# KiCad board untitled.kicad_pcb (continued)
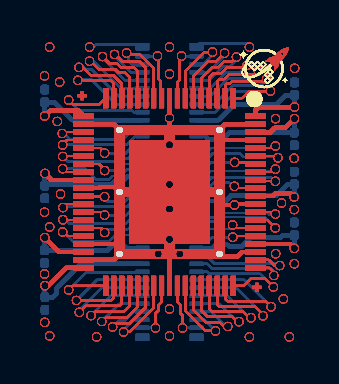
[diagram p0: board, top side]
## Nets (continued)
/PIN 11: J101.60 J102.21 J103.60 J104.21 J105.60 J106.21 J107.60 J108.21 J109.60 J110.21 J111.60 J112.21 J113.60 J114.21 J115.60 J116.21 J117.60 J118.21 J119.60 J120.21 J121.60 J122.21 J123.60 J124.21 J125.60 J126.21 J127.60 J128.21 J129.60 J130.21 J131.60 J132.21 J133.60 J134.21 J135.60 J136.21 J137.60 J138.21 J139.60 J140.21 J141.60 J142.21 J143.60 J144.21 J145.60 J146.21 J147.60 J148.21 J149.60 J150.21 J151.60 J152.21 J153.60 J154.21 J155.60 J156.21 J157.60 J158.21 J159.60 J160.21 J161.60 J162.21 J163.60 J164.21 J165.60 J166.21 J167.60 J168.21 J169.60 J170.21 J171.60 J172.21 J173.60 J174.21 J175.60 J176.21 J177.60 J178.21 J179.60 J180.21 J181.60 J182.21 J183.60 J184.21
/PIN 12: J101.59 J102.22 J103.59 J104.22 J105.59 J106.22 J107.59 J108.22 J109.59 J110.22 J111.59 J112.22 J113.59 J114.22 J115.59 J116.22 J117.59 J118.22 J119.59 J120.22 J121.59 J122.22 J123.59 J124.22 J125.59 J126.22 J127.59 J128.22 J129.59 J130.22 J131.59 J132.22 J133.59 J134.22 J135.59 J136.22 J137.59 J138.22 J139.59 J140.22 J141.59 J142.22 J143.59 J144.22 J145.59 J146.22 J147.59 J148.22 J149.59 J150.22 J151.59 J152.22 J153.59 J154.22 J155.59 J156.22 J157.59 J158.22 J159.59 J160.22 J161.59 J162.22 J163.59 J164.22 J165.59 J166.22 J167.59 J168.22 J169.59 J170.22 J171.59 J172.22 J173.59 J174.22 J175.59 J176.22 J177.59 J178.22 J179.59 J180.22 J181.59 J182.22 J183.59 J184.22
/PIN 13: J101.58 J102.23 J103.58 J104.23 J105.58 J106.23 J107.58 J108.23 J109.58 J110.23 J111.58 J112.23 J113.58 J114.23 J115.58 J116.23 J117.58 J118.23 J119.58 J120.23 J121.58 J122.23 J123.58 J124.23 J125.58 J126.23 J127.58 J128.23 J129.58 J130.23 J131.58 J132.23 J133.58 J134.23 J135.58 J136.23 J137.58 J138.23 J139.58 J140.23 J141.58 J142.23 J143.58 J144.23 J145.58 J146.23 J147.58 J148.23 J149.58 J150.23 J151.58 J152.23 J153.58 J154.23 J155.58 J156.23 J157.58 J158.23 J159.58 J160.23 J161.58 J162.23 J163.58 J164.23 J165.58 J166.23 J167.58 J168.23 J169.58 J170.23 J171.58 J172.23 J173.58 J174.23 J175.58 J176.23 J177.58 J178.23 J179.58 J180.23 J181.58 J182.23 J183.58 J184.23
/PIN 14: J101.57 J102.24 J103.57 J104.24 J105.57 J106.24 J107.57 J108.24 J109.57 J110.24 J111.57 J112.24 J113.57 J114.24 J115.57 J116.24 J117.57 J118.24 J119.57 J120.24 J121.57 J122.24 J123.57 J124.24 J125.57 J126.24 J127.57 J128.24 J129.57 J130.24 J131.57 J132.24 J133.57 J134.24 J135.57 J136.24 J137.57 J138.24 J139.57 J140.24 J141.57 J142.24 J143.57 J144.24 J145.57 J146.24 J147.57 J148.24 J149.57 J150.24 J151.57 J152.24 J153.57 J154.24 J155.57 J156.24 J157.57 J158.24 J159.57 J160.24 J161.57 J162.24 J163.57 J164.24 J165.57 J166.24 J167.57 J168.24 J169.57 J170.24 J171.57 J172.24 J173.57 J174.24 J175.57 J176.24 J177.57 J178.24 J179.57 J180.24 J181.57 J182.24 J183.57 J184.24
/PIN 15: J101.56 J102.25 J103.56 J104.25 J105.56 J106.25 J107.56 J108.25 J109.56 J110.25 J111.56 J112.25 J113.56 J114.25 J115.56 J116.25 J117.56 J118.25 J119.56 J120.25 J121.56 J122.25 J123.56 J124.25 J125.56 J126.25 J127.56 J128.25 J129.56 J130.25 J131.56 J132.25 J133.56 J134.25 J135.56 J136.25 J137.56 J138.25 J139.56 J140.25 J141.56 J142.25 J143.56 J144.25 J145.56 J146.25 J147.56 J148.25 J149.56 J150.25 J151.56 J152.25 J153.56 J154.25 J155.56 J156.25 J157.56 J158.25 J159.56 J160.25 J161.56 J162.25 J163.56 J164.25 J165.56 J166.25 J167.56 J168.25 J169.56 J170.25 J171.56 J172.25 J173.56 J174.25 J175.56 J176.25 J177.56 J178.25 J179.56 J180.25 J181.56 J182.25 J183.56 J184.25
/PIN 16: C105.1 C113.1 C121.1 C129.1 C137.1 C145.1 C153.1 C161.1 C169.1 C177.1 C185.1 C193.1 C201.1 C209.1 C217.1 C225.1 C233.1 C241.1 C249.1 C257.1 C265.1 C273.1 C281.1 C289.1 C297.1 C305.1 C313.1 C321.1 C329.1 C337.1 C345.1 C353.1 C361.1 C369.1 C377.1 C385.1 C393.1 C401.1 C409.1 C417.1 C425.1 C433.1 J101.55 J102.26 J103.55 J104.26 J105.55 J106.26 J107.55 J108.26 J109.55 J110.26 J111.55 J112.26 J113.55 J114.26 J115.55 J116.26 J117.55 J118.26 J119.55 J120.26 J121.55 J122.26 J123.55 J124.26 J125.55 J126.26 J127.55 J128.26 J129.55 J130.26 J131.55 J132.26 J133.55 J134.26 J135.55 J136.26 J137.55 J138.26 J139.55 J140.26 J141.55 J142.26 J143.55 J144.26 J145.55 J146.26 J147.55 J148.26 J149.55 J150.26 J151.55 J152.26 J153.55 J154.26 J155.55 J156.26 J157.55 J158.26 J159.55 J160.26 J161.55 J162.26 J163.55 J164.26 J165.55 J166.26 J167.55 J168.26 J169.55 J170.26 J171.55 J172.26 J173.55 J174.26 J175.55 J176.26 J177.55 J178.26 J179.55 J180.26 J181.55 J182.26 J183.55 J184.26
/PIN 18: J101.53 J102.28 J103.53 J104.28 J105.53 J106.28 J107.53 J108.28 J109.53 J110.28 J111.53 J112.28 J113.53 J114.28 J115.53 J116.28 J117.53 J118.28 J119.53 J120.28 J121.53 J122.28 J123.53 J124.28 J125.53 J126.28 J127.53 J128.28 J129.53 J130.28 J131.53 J132.28 J133.53 J134.28 J135.53 J136.28 J137.53 J138.28 J139.53 J140.28 J141.53 J142.28 J143.53 J144.28 J145.53 J146.28 J147.53 J148.28 J149.53 J150.28 J151.53 J152.28 J153.53 J154.28 J155.53 J156.28 J157.53 J158.28 J159.53 J160.28 J161.53 J162.28 J163.53 J164.28 J165.53 J166.28 J167.53 J168.28 J169.53 J170.28 J171.53 J172.28 J173.53 J174.28 J175.53 J176.28 J177.53 J178.28 J179.53 J180.28 J181.53 J182.28 J183.53 J184.28
/PIN 19: J101.52 J102.29 J103.52 J104.29 J105.52 J106.29 J107.52 J108.29 J109.52 J110.29 J111.52 J112.29 J113.52 J114.29 J115.52 J116.29 J117.52 J118.29 J119.52 J120.29 J121.52 J122.29 J123.52 J124.29 J125.52 J126.29 J127.52 J128.29 J129.52 J130.29 J131.52 J132.29 J133.52 J134.29 J135.52 J136.29 J137.52 J138.29 J139.52 J140.29 J141.52 J142.29 J143.52 J144.29 J145.52 J146.29 J147.52 J148.29 J149.52 J150.29 J151.52 J152.29 J153.52 J154.29 J155.52 J156.29 J157.52 J158.29 J159.52 J160.29 J161.52 J162.29 J163.52 J164.29 J165.52 J166.29 J167.52 J168.29 J169.52 J170.29 J171.52 J172.29 J173.52 J174.29 J175.52 J176.29 J177.52 J178.29 J179.52 J180.29 J181.52 J182.29 J183.52 J184.29
/PIN 20: J101.51 J102.30 J103.51 J104.30 J105.51 J106.30 J107.51 J108.30 J109.51 J110.30 J111.51 J112.30 J113.51 J114.30 J115.51 J116.30 J117.51 J118.30 J119.51 J120.30 J121.51 J122.30 J123.51 J124.30 J125.51 J126.30 J127.51 J128.30 J129.51 J130.30 J131.51 J132.30 J133.51 J134.30 J135.51 J136.30 J137.51 J138.30 J139.51 J140.30 J141.51 J142.30 J143.51 J144.30 J145.51 J146.30 J147.51 J148.30 J149.51 J150.30 J151.51 J152.30 J153.51 J154.30 J155.51 J156.30 J157.51 J158.30 J159.51 J160.30 J161.51 J162.30 J163.51 J164.30 J165.51 J166.30 J167.51 J168.30 J169.51 J170.30 J171.51 J172.30 J173.51 J174.30 J175.51 J176.30 J177.51 J178.30 J179.51 J180.30 J181.51 J182.30 J183.51 J184.30
/PIN 21: J101.50 J102.31 J103.50 J104.31 J105.50 J106.31 J107.50 J108.31 J109.50 J110.31 J111.50 J112.31 J113.50 J114.31 J115.50 J116.31 J117.50 J118.31 J119.50 J120.31 J121.50 J122.31 J123.50 J124.31 J125.50 J126.31 J127.50 J128.31 J129.50 J130.31 J131.50 J132.31 J133.50 J134.31 J135.50 J136.31 J137.50 J138.31 J139.50 J140.31 J141.50 J142.31 J143.50 J144.31 J145.50 J146.31 J147.50 J148.31 J149.50 J150.31 J151.50 J152.31 J153.50 J154.31 J155.50 J156.31 J157.50 J158.31 J159.50 J160.31 J161.50 J162.31 J163.50 J164.31 J165.50 J166.31 J167.50 J168.31 J169.50 J170.31 J171.50 J172.31 J173.50 J174.31 J175.50 J176.31 J177.50 J178.31 J179.50 J180.31 J181.50 J182.31 J183.50 J184.31
/PIN 22: J101.49 J102.32 J103.49 J104.32 J105.49 J106.32 J107.49 J108.32 J109.49 J110.32 J111.49 J112.32 J113.49 J114.32 J115.49 J116.32 J117.49 J118.32 J119.49 J120.32 J121.49 J122.32 J123.49 J124.32 J125.49 J126.32 J127.49 J128.32 J129.49 J130.32 J131.49 J132.32 J133.49 J134.32 J135.49 J136.32 J137.49 J138.32 J139.49 J140.32 J141.49 J142.32 J143.49 J144.32 J145.49 J146.32 J147.49 J148.32 J149.49 J150.32 J151.49 J152.32 J153.49 J154.32 J155.49 J156.32 J157.49 J158.32 J159.49 J160.32 J161.49 J162.32 J163.49 J164.32 J165.49 J166.32 J167.49 J168.32 J169.49 J170.32 J171.49 J172.32 J173.49 J174.32 J175.49 J176.32 J177.49 J178.32 J179.49 J180.32 J181.49 J182.32 J183.49 J184.32
/PIN 23: J101.48 J102.33 J103.48 J104.33 J105.48 J106.33 J107.48 J108.33 J109.48 J110.33 J111.48 J112.33 J113.48 J114.33 J115.48 J116.33 J117.48 J118.33 J119.48 J120.33 J121.48 J122.33 J123.48 J124.33 J125.48 J126.33 J127.48 J128.33 J129.48 J130.33 J131.48 J132.33 J133.48 J134.33 J135.48 J136.33 J137.48 J138.33 J139.48 J140.33 J141.48 J142.33 J143.48 J144.33 J145.48 J146.33 J147.48 J148.33 J149.48 J150.33 J151.48 J152.33 J153.48 J154.33 J155.48 J156.33 J157.48 J158.33 J159.48 J160.33 J161.48 J162.33 J163.48 J164.33 J165.48 J166.33 J167.48 J168.33 J169.48 J170.33 J171.48 J172.33 J173.48 J174.33 J175.48 J176.33 J177.48 J178.33 J179.48 J180.33 J181.48 J182.33 J183.48 J184.33
/PIN 25: C103.1 C111.1 C119.1 C127.1 C135.1 C143.1 C151.1 C159.1 C167.1 C175.1 C183.1 C191.1 C199.1 C207.1 C215.1 C223.1 C231.1 C239.1 C247.1 C255.1 C263.1 C271.1 C279.1 C287.1 C295.1 C303.1 C311.1 C319.1 C327.1 C335.1 C343.1 C351.1 C359.1 C367.1 C375.1 C383.1 C391.1 C399.1 C407.1 C415.1 C423.1 C431.1 J101.46 J102.35 J103.46 J104.35 J105.46 J106.35 J107.46 J108.35 J109.46 J110.35 J111.46 J112.35 J113.46 J114.35 J115.46 J116.35 J117.46 J118.35 J119.46 J120.35 J121.46 J122.35 J123.46 J124.35 J125.46 J126.35 J127.46 J128.35 J129.46 J130.35 J131.46 J132.35 J133.46 J134.35 J135.46 J136.35 J137.46 J138.35 J139.46 J140.35 J141.46 J142.35 J143.46 J144.35 J145.46 J146.35 J147.46 J148.35 J149.46 J150.35 J151.46 J152.35 J153.46 J154.35 J155.46 J156.35 J157.46 J158.35 J159.46 J160.35 J161.46 J162.35 J163.46 J164.35 J165.46 J166.35 J167.46 J168.35 J169.46 J170.35 J171.46 J172.35 J173.46 J174.35 J175.46 J176.35 J177.46 J178.35 J179.46 J180.35 J181.46 J182.35 J183.46 J184.35
/PIN 27: C101.1 C109.1 C117.1 C125.1 C133.1 C141.1 C149.1 C157.1 C165.1 C173.1 C181.1 C189.1 C197.1 C205.1 C213.1 C221.1 C229.1 C237.1 C245.1 C253.1 C261.1 C269.1 C277.1 C285.1 C293.1 C301.1 C309.1 C317.1 C325.1 C333.1 C341.1 C349.1 C357.1 C365.1 C373.1 C381.1 C389.1 C397.1 C405.1 C413.1 C421.1 C429.1 J101.44 J102.37 J103.44 J104.37 J105.44 J106.37 J107.44 J108.37 J109.44 J110.37 J111.44 J112.37 J113.44 J114.37 J115.44 J116.37 J117.44 J118.37 J119.44 J120.37 J121.44 J122.37 J123.44 J124.37 J125.44 J126.37 J127.44 J128.37 J129.44 J130.37 J131.44 J132.37 J133.44 J134.37 J135.44 J136.37 J137.44 J138.37 J139.44 J140.37 J141.44 J142.37 J143.44 J144.37 J145.44 J146.37 J147.44 J148.37 J149.44 J150.37 J151.44 J152.37 J153.44 J154.37 J155.44 J156.37 J157.44 J158.37 J159.44 J160.37 J161.44 J162.37 J163.44 J164.37 J165.44 J166.37 J167.44 J168.37 J169.44 J170.37 J171.44 J172.37 J173.44 J174.37 J175.44 J176.37 J177.44 J178.37 J179.44 J180.37 J181.44 J182.37 J183.44 J184.37
/PIN 28: J101.43 J102.38 J103.43 J104.38 J105.43 J106.38 J107.43 J108.38 J109.43 J110.38 J111.43 J112.38 J113.43 J114.38 J115.43 J116.38 J117.43 J118.38 J119.43 J120.38 J121.43 J122.38 J123.43 J124.38 J125.43 J126.38 J127.43 J128.38 J129.43 J130.38 J131.43 J132.38 J133.43 J134.38 J135.43 J136.38 J137.43 J138.38 J139.43 J140.38 J141.43 J142.38 J143.43 J144.38 J145.43 J146.38 J147.43 J148.38 J149.43 J150.38 J151.43 J152.38 J153.43 J154.38 J155.43 J156.38 J157.43 J158.38 J159.43 J160.38 J161.43 J162.38 J163.43 J164.38 J165.43 J166.38 J167.43 J168.38 J169.43 J170.38 J171.43 J172.38 J173.43 J174.38 J175.43 J176.38 J177.43 J178.38 J179.43 J180.38 J181.43 J182.38 J183.43 J184.38
/PIN 29: J101.42 J102.39 J103.42 J104.39 J105.42 J106.39 J107.42 J108.39 J109.42 J110.39 J111.42 J112.39 J113.42 J114.39 J115.42 J116.39 J117.42 J118.39 J119.42 J120.39 J121.42 J122.39 J123.42 J124.39 J125.42 J126.39 J127.42 J128.39 J129.42 J130.39 J131.42 J132.39 J133.42 J134.39 J135.42 J136.39 J137.42 J138.39 J139.42 J140.39 J141.42 J142.39 J143.42 J144.39 J145.42 J146.39 J147.42 J148.39 J149.42 J150.39 J151.42 J152.39 J153.42 J154.39 J155.42 J156.39 J157.42 J158.39 J159.42 J160.39 J161.42 J162.39 J163.42 J164.39 J165.42 J166.39 J167.42 J168.39 J169.42 J170.39 J171.42 J172.39 J173.42 J174.39 J175.42 J176.39 J177.42 J178.39 J179.42 J180.39 J181.42 J182.39 J183.42 J184.39
/PIN 30: J101.41 J102.40 J103.41 J104.40 J105.41 J106.40 J107.41 J108.40 J109.41 J110.40 J111.41 J112.40 J113.41 J114.40 J115.41 J116.40 J117.41 J118.40 J119.41 J120.40 J121.41 J122.40 J123.41 J124.40 J125.41 J126.40 J127.41 J128.40 J129.41 J130.40 J131.41 J132.40 J133.41 J134.40 J135.41 J136.40 J137.41 J138.40 J139.41 J140.40 J141.41 J142.40 J143.41 J144.40 J145.41 J146.40 J147.41 J148.40 J149.41 J150.40 J151.41 J152.40 J153.41 J154.40 J155.41 J156.40 J157.41 J158.40 J159.41 J160.40 J161.41 J162.40 J163.41 J164.40 J165.41 J166.40 J167.41 J168.40 J169.41 J170.40 J171.41 J172.40 J173.41 J174.40 J175.41 J176.40 J177.41 J178.40 J179.41 J180.40 J181.41 J182.40 J183.41 J184.40
/PIN 31: J101.40 J102.41 J103.40 J104.41 J105.40 J106.41 J107.40 J108.41 J109.40 J110.41 J111.40 J112.41 J113.40 J114.41 J115.40 J116.41 J117.40 J118.41 J119.40 J120.41 J121.40 J122.41 J123.40 J124.41 J125.40 J126.41 J127.40 J128.41 J129.40 J130.41 J131.40 J132.41 J133.40 J134.41 J135.40 J136.41 J137.40 J138.41 J139.40 J140.41 J141.40 J142.41 J143.40 J144.41 J145.40 J146.41 J147.40 J148.41 J149.40 J150.41 J151.40 J152.41 J153.40 J154.41 J155.40 J156.41 J157.40 J158.41 J159.40 J160.41 J161.40 J162.41 J163.40 J164.41 J165.40 J166.41 J167.40 J168.41 J169.40 J170.41 J171.40 J172.41 J173.40 J174.41 J175.40 J176.41 J177.40 J178.41 J179.40 J180.41 J181.40 J182.41 J183.40 J184.41
/PIN 32: J101.39 J102.42 J103.39 J104.42 J105.39 J106.42 J107.39 J108.42 J109.39 J110.42 J111.39 J112.42 J113.39 J114.42 J115.39 J116.42 J117.39 J118.42 J119.39 J120.42 J121.39 J122.42 J123.39 J124.42 J125.39 J126.42 J127.39 J128.42 J129.39 J130.42 J131.39 J132.42 J133.39 J134.42 J135.39 J136.42 J137.39 J138.42 J139.39 J140.42 J141.39 J142.42 J143.39 J144.42 J145.39 J146.42 J147.39 J148.42 J149.39 J150.42 J151.39 J152.42 J153.39 J154.42 J155.39 J156.42 J157.39 J158.42 J159.39 J160.42 J161.39 J162.42 J163.39 J164.42 J165.39 J166.42 J167.39 J168.42 J169.39 J170.42 J171.39 J172.42 J173.39 J174.42 J175.39 J176.42 J177.39 J178.42 J179.39 J180.42 J181.39 J182.42 J183.39 J184.42
/PIN 33: J101.38 J102.43 J103.38 J104.43 J105.38 J106.43 J107.38 J108.43 J109.38 J110.43 J111.38 J112.43 J113.38 J114.43 J115.38 J116.43 J117.38 J118.43 J119.38 J120.43 J121.38 J122.43 J123.38 J124.43 J125.38 J126.43 J127.38 J128.43 J129.38 J130.43 J131.38 J132.43 J133.38 J134.43 J135.38 J136.43 J137.38 J138.43 J139.38 J140.43 J141.38 J142.43 J143.38 J144.43 J145.38 J146.43 J147.38 J148.43 J149.38 J150.43 J151.38 J152.43 J153.38 J154.43 J155.38 J156.43 J157.38 J158.43 J159.38 J160.43 J161.38 J162.43 J163.38 J164.43 J165.38 J166.43 J167.38 J168.43 J169.38 J170.43 J171.38 J172.43 J173.38 J174.43 J175.38 J176.43 J177.38 J178.43 J179.38 J180.43 J181.38 J182.43 J183.38 J184.43
/PIN 34: J101.37 J102.44 J103.37 J104.44 J105.37 J106.44 J107.37 J108.44 J109.37 J110.44 J111.37 J112.44 J113.37 J114.44 J115.37 J116.44 J117.37 J118.44 J119.37 J120.44 J121.37 J122.44 J123.37 J124.44 J125.37 J126.44 J127.37 J128.44 J129.37 J130.44 J131.37 J132.44 J133.37 J134.44 J135.37 J136.44 J137.37 J138.44 J139.37 J140.44 J141.37 J142.44 J143.37 J144.44 J145.37 J146.44 J147.37 J148.44 J149.37 J150.44 J151.37 J152.44 J153.37 J154.44 J155.37 J156.44 J157.37 J158.44 J159.37 J160.44 J161.37 J162.44 J163.37 J164.44 J165.37 J166.44 J167.37 J168.44 J169.37 J170.44 J171.37 J172.44 J173.37 J174.44 J175.37 J176.44 J177.37 J178.44 J179.37 J180.44 J181.37 J182.44 J183.37 J184.44
/PIN 35: J101.36 J102.45 J103.36 J104.45 J105.36 J106.45 J107.36 J108.45 J109.36 J110.45 J111.36 J112.45 J113.36 J114.45 J115.36 J116.45 J117.36 J118.45 J119.36 J120.45 J121.36 J122.45 J123.36 J124.45 J125.36 J126.45 J127.36 J128.45 J129.36 J130.45 J131.36 J132.45 J133.36 J134.45 J135.36 J136.45 J137.36 J138.45 J139.36 J140.45 J141.36 J142.45 J143.36 J144.45 J145.36 J146.45 J147.36 J148.45 J149.36 J150.45 J151.36 J152.45 J153.36 J154.45 J155.36 J156.45 J157.36 J158.45 J159.36 J160.45 J161.36 J162.45 J163.36 J164.45 J165.36 J166.45 J167.36 J168.45 J169.36 J170.45 J171.36 J172.45 J173.36 J174.45 J175.36 J176.45 J177.36 J178.45 J179.36 J180.45 J181.36 J182.45 J183.36 J184.45
/PIN 36: J101.35 J102.47 J103.35 J104.47 J105.35 J106.47 J107.35 J108.47 J109.35 J110.47 J111.35 J112.47 J113.35 J114.47 J115.35 J116.47 J117.35 J118.47 J119.35 J120.47 J121.35 J122.47 J123.35 J124.47 J125.35 J126.47 J127.35 J128.47 J129.35 J130.47 J131.35 J132.47 J133.35 J134.47 J135.35 J136.47 J137.35 J138.47 J139.35 J140.47 J141.35 J142.47 J143.35 J144.47 J145.35 J146.47 J147.35 J148.47 J149.35 J150.47 J151.35 J152.47 J153.35 J154.47 J155.35 J156.47 J157.35 J158.47 J159.35 J160.47 J161.35 J162.47 J163.35 J164.47 J165.35 J166.47 J167.35 J168.47 J169.35 J170.47 J171.35 J172.47 J173.35 J174.47 J175.35 J176.47 J177.35 J178.47 J179.35 J180.47 J181.35 J182.47 J183.35 J184.47
/PIN 37: J101.34 J102.48 J103.34 J104.48 J105.34 J106.48 J107.34 J108.48 J109.34 J110.48 J111.34 J112.48 J113.34 J114.48 J115.34 J116.48 J117.34 J118.48 J119.34 J120.48 J121.34 J122.48 J123.34 J124.48 J125.34 J126.48 J127.34 J128.48 J129.34 J130.48 J131.34 J132.48 J133.34 J134.48 J135.34 J136.48 J137.34 J138.48 J139.34 J140.48 J141.34 J142.48 J143.34 J144.48 J145.34 J146.48 J147.34 J148.48 J149.34 J150.48 J151.34 J152.48 J153.34 J154.48 J155.34 J156.48 J157.34 J158.48 J159.34 J160.48 J161.34 J162.48 J163.34 J164.48 J165.34 J166.48 J167.34 J168.48 J169.34 J170.48 J171.34 J172.48 J173.34 J174.48 J175.34 J176.48 J177.34 J178.48 J179.34 J180.48 J181.34 J182.48 J183.34 J184.48
/PIN 38: J101.33 J102.49 J103.33 J104.49 J105.33 J106.49 J107.33 J108.49 J109.33 J110.49 J111.33 J112.49 J113.33 J114.49 J115.33 J116.49 J117.33 J118.49 J119.33 J120.49 J121.33 J122.49 J123.33 J124.49 J125.33 J126.49 J127.33 J128.49 J129.33 J130.49 J131.33 J132.49 J133.33 J134.49 J135.33 J136.49 J137.33 J138.49 J139.33 J140.49 J141.33 J142.49 J143.33 J144.49 J145.33 J146.49 J147.33 J148.49 J149.33 J150.49 J151.33 J152.49 J153.33 J154.49 J155.33 J156.49 J157.33 J158.49 J159.33 J160.49 J161.33 J162.49 J163.33 J164.49 J165.33 J166.49 J167.33 J168.49 J169.33 J170.49 J171.33 J172.49 J173.33 J174.49 J175.33 J176.49 J177.33 J178.49 J179.33 J180.49 J181.33 J182.49 J183.33 J184.49
/PIN 39: J101.32 J102.50 J103.32 J104.50 J105.32 J106.50 J107.32 J108.50 J109.32 J110.50 J111.32 J112.50 J113.32 J114.50 J115.32 J116.50 J117.32 J118.50 J119.32 J120.50 J121.32 J122.50 J123.32 J124.50 J125.32 J126.50 J127.32 J128.50 J129.32 J130.50 J131.32 J132.50 J133.32 J134.50 J135.32 J136.50 J137.32 J138.50 J139.32 J140.50 J141.32 J142.50 J143.32 J144.50 J145.32 J146.50 J147.32 J148.50 J149.32 J150.50 J151.32 J152.50 J153.32 J154.50 J155.32 J156.50 J157.32 J158.50 J159.32 J160.50 J161.32 J162.50 J163.32 J164.50 J165.32 J166.50 J167.32 J168.50 J169.32 J170.50 J171.32 J172.50 J173.32 J174.50 J175.32 J176.50 J177.32 J178.50 J179.32 J180.50 J181.32 J182.50 J183.32 J184.50
/PIN 40: J101.31 J102.51 J103.31 J104.51 J105.31 J106.51 J107.31 J108.51 J109.31 J110.51 J111.31 J112.51 J113.31 J114.51 J115.31 J116.51 J117.31 J118.51 J119.31 J120.51 J121.31 J122.51 J123.31 J124.51 J125.31 J126.51 J127.31 J128.51 J129.31 J130.51 J131.31 J132.51 J133.31 J134.51 J135.31 J136.51 J137.31 J138.51 J139.31 J140.51 J141.31 J142.51 J143.31 J144.51 J145.31 J146.51 J147.31 J148.51 J149.31 J150.51 J151.31 J152.51 J153.31 J154.51 J155.31 J156.51 J157.31 J158.51 J159.31 J160.51 J161.31 J162.51 J163.31 J164.51 J165.31 J166.51 J167.31 J168.51 J169.31 J170.51 J171.31 J172.51 J173.31 J174.51 J175.31 J176.51 J177.31 J178.51 J179.31 J180.51 J181.31 J182.51 J183.31 J184.51
/PIN 41: J101.30 J102.52 J103.30 J104.52 J105.30 J106.52 J107.30 J108.52 J109.30 J110.52 J111.30 J112.52 J113.30 J114.52 J115.30 J116.52 J117.30 J118.52 J119.30 J120.52 J121.30 J122.52 J123.30 J124.52 J125.30 J126.52 J127.30 J128.52 J129.30 J130.52 J131.30 J132.52 J133.30 J134.52 J135.30 J136.52 J137.30 J138.52 J139.30 J140.52 J141.30 J142.52 J143.30 J144.52 J145.30 J146.52 J147.30 J148.52 J149.30 J150.52 J151.30 J152.52 J153.30 J154.52 J155.30 J156.52 J157.30 J158.52 J159.30 J160.52 J161.30 J162.52 J163.30 J164.52 J165.30 J166.52 J167.30 J168.52 J169.30 J170.52 J171.30 J172.52 J173.30 J174.52 J175.30 J176.52 J177.30 J178.52 J179.30 J180.52 J181.30 J182.52 J183.30 J184.52
/PIN 42: J101.29 J102.53 J103.29 J104.53 J105.29 J106.53 J107.29 J108.53 J109.29 J110.53 J111.29 J112.53 J113.29 J114.53 J115.29 J116.53 J117.29 J118.53 J119.29 J120.53 J121.29 J122.53 J123.29 J124.53 J125.29 J126.53 J127.29 J128.53 J129.29 J130.53 J131.29 J132.53 J133.29 J134.53 J135.29 J136.53 J137.29 J138.53 J139.29 J140.53 J141.29 J142.53 J143.29 J144.53 J145.29 J146.53 J147.29 J148.53 J149.29 J150.53 J151.29 J152.53 J153.29 J154.53 J155.29 J156.53 J157.29 J158.53 J159.29 J160.53 J161.29 J162.53 J163.29 J164.53 J165.29 J166.53 J167.29 J168.53 J169.29 J170.53 J171.29 J172.53 J173.29 J174.53 J175.29 J176.53 J177.29 J178.53 J179.29 J180.53 J181.29 J182.53 J183.29 J184.53
/PIN 43: J101.28 J102.54 J103.28 J104.54 J105.28 J106.54 J107.28 J108.54 J109.28 J110.54 J111.28 J112.54 J113.28 J114.54 J115.28 J116.54 J117.28 J118.54 J119.28 J120.54 J121.28 J122.54 J123.28 J124.54 J125.28 J126.54 J127.28 J128.54 J129.28 J130.54 J131.28 J132.54 J133.28 J134.54 J135.28 J136.54 J137.28 J138.54 J139.28 J140.54 J141.28 J142.54 J143.28 J144.54 J145.28 J146.54 J147.28 J148.54 J149.28 J150.54 J151.28 J152.54 J153.28 J154.54 J155.28 J156.54 J157.28 J158.54 J159.28 J160.54 J161.28 J162.54 J163.28 J164.54 J165.28 J166.54 J167.28 J168.54 J169.28 J170.54 J171.28 J172.54 J173.28 J174.54 J175.28 J176.54 J177.28 J178.54 J179.28 J180.54 J181.28 J182.54 J183.28 J184.54
/PIN 44: J101.27 J102.55 J103.27 J104.55 J105.27 J106.55 J107.27 J108.55 J109.27 J110.55 J111.27 J112.55 J113.27 J114.55 J115.27 J116.55 J117.27 J118.55 J119.27 J120.55 J121.27 J122.55 J123.27 J124.55 J125.27 J126.55 J127.27 J128.55 J129.27 J130.55 J131.27 J132.55 J133.27 J134.55 J135.27 J136.55 J137.27 J138.55 J139.27 J140.55 J141.27 J142.55 J143.27 J144.55 J145.27 J146.55 J147.27 J148.55 J149.27 J150.55 J151.27 J152.55 J153.27 J154.55 J155.27 J156.55 J157.27 J158.55 J159.27 J160.55 J161.27 J162.55 J163.27 J164.55 J165.27 J166.55 J167.27 J168.55 J169.27 J170.55 J171.27 J172.55 J173.27 J174.55 J175.27 J176.55 J177.27 J178.55 J179.27 J180.55 J181.27 J182.55 J183.27 J184.55
/PIN 45: J101.26 J102.56 J103.26 J104.56 J105.26 J106.56 J107.26 J108.56 J109.26 J110.56 J111.26 J112.56 J113.26 J114.56 J115.26 J116.56 J117.26 J118.56 J119.26 J120.56 J121.26 J122.56 J123.26 J124.56 J125.26 J126.56 J127.26 J128.56 J129.26 J130.56 J131.26 J132.56 J133.26 J134.56 J135.26 J136.56 J137.26 J138.56 J139.26 J140.56 J141.26 J142.56 J143.26 J144.56 J145.26 J146.56 J147.26 J148.56 J149.26 J150.56 J151.26 J152.56 J153.26 J154.56 J155.26 J156.56 J157.26 J158.56 J159.26 J160.56 J161.26 J162.56 J163.26 J164.56 J165.26 J166.56 J167.26 J168.56 J169.26 J170.56 J171.26 J172.56 J173.26 J174.56 J175.26 J176.56 J177.26 J178.56 J179.26 J180.56 J181.26 J182.56 J183.26 J184.56
/PIN 46: C108.1 C116.1 C124.1 C132.1 C140.1 C148.1 C156.1 C164.1 C172.1 C180.1 C188.1 C196.1 C204.1 C212.1 C220.1 C228.1 C236.1 C244.1 C252.1 C260.1 C268.1 C276.1 C284.1 C292.1 C300.1 C308.1 C316.1 C324.1 C332.1 C340.1 C348.1 C356.1 C364.1 C372.1 C380.1 C388.1 C396.1 C404.1 C412.1 C420.1 C428.1 C436.1 J101.25 J102.58 J103.25 J104.58 J105.25 J106.58 J107.25 J108.58 J109.25 J110.58 J111.25 J112.58 J113.25 J114.58 J115.25 J116.58 J117.25 J118.58 J119.25 J120.58 J121.25 J122.58 J123.25 J124.58 J125.25 J126.58 J127.25 J128.58 J129.25 J130.58 J131.25 J132.58 J133.25 J134.58 J135.25 J136.58 J137.25 J138.58 J139.25 J140.58 J141.25 J142.58 J143.25 J144.58 J145.25 J146.58 J147.25 J148.58 J149.25 J150.58 J151.25 J152.58 J153.25 J154.58 J155.25 J156.58 J157.25 J158.58 J159.25 J160.58 J161.25 J162.58 J163.25 J164.58 J165.25 J166.58 J167.25 J168.58 J169.25 J170.58 J171.25 J172.58 J173.25 J174.58 J175.25 J176.58 J177.25 J178.58 J179.25 J180.58 J181.25 J182.58 J183.25 J184.58
/PIN 47: J101.24 J102.59 J103.24 J104.59 J105.24 J106.59 J107.24 J108.59 J109.24 J110.59 J111.24 J112.59 J113.24 J114.59 J115.24 J116.59 J117.24 J118.59 J119.24 J120.59 J121.24 J122.59 J123.24 J124.59 J125.24 J126.59 J127.24 J128.59 J129.24 J130.59 J131.24 J132.59 J133.24 J134.59 J135.24 J136.59 J137.24 J138.59 J139.24 J140.59 J141.24 J142.59 J143.24 J144.59 J145.24 J146.59 J147.24 J148.59 J149.24 J150.59 J151.24 J152.59 J153.24 J154.59 J155.24 J156.59 J157.24 J158.59 J159.24 J160.59 J161.24 J162.59 J163.24 J164.59 J165.24 J166.59 J167.24 J168.59 J169.24 J170.59 J171.24 J172.59 J173.24 J174.59 J175.24 J176.59 J177.24 J178.59 J179.24 J180.59 J181.24 J182.59 J183.24 J184.59
/PIN 48: J101.23 J102.60 J103.23 J104.60 J105.23 J106.60 J107.23 J108.60 J109.23 J110.60 J111.23 J112.60 J113.23 J114.60 J115.23 J116.60 J117.23 J118.60 J119.23 J120.60 J121.23 J122.60 J123.23 J124.60 J125.23 J126.60 J127.23 J128.60 J129.23 J130.60 J131.23 J132.60 J133.23 J134.60 J135.23 J136.60 J137.23 J138.60 J139.23 J140.60 J141.23 J142.60 J143.23 J144.60 J145.23 J146.60 J147.23 J148.60 J149.23 J150.60 J151.23 J152.60 J153.23 J154.60 J155.23 J156.60 J157.23 J158.60 J159.23 J160.60 J161.23 J162.60 J163.23 J164.60 J165.23 J166.60 J167.23 J168.60 J169.23 J170.60 J171.23 J172.60 J173.23 J174.60 J175.23 J176.60 J177.23 J178.60 J179.23 J180.60 J181.23 J182.60 J183.23 J184.60
/PIN 49: J101.22 J102.61 J103.22 J104.61 J105.22 J106.61 J107.22 J108.61 J109.22 J110.61 J111.22 J112.61 J113.22 J114.61 J115.22 J116.61 J117.22 J118.61 J119.22 J120.61 J121.22 J122.61 J123.22 J124.61 J125.22 J126.61 J127.22 J128.61 J129.22 J130.61 J131.22 J132.61 J133.22 J134.61 J135.22 J136.61 J137.22 J138.61 J139.22 J140.61 J141.22 J142.61 J143.22 J144.61 J145.22 J146.61 J147.22 J148.61 J149.22 J150.61 J151.22 J152.61 J153.22 J154.61 J155.22 J156.61 J157.22 J158.61 J159.22 J160.61 J161.22 J162.61 J163.22 J164.61 J165.22 J166.61 J167.22 J168.61 J169.22 J170.61 J171.22 J172.61 J173.22 J174.61 J175.22 J176.61 J177.22 J178.61 J179.22 J180.61 J181.22 J182.61 J183.22 J184.61
/PIN 50: J101.21 J102.62 J103.21 J104.62 J105.21 J106.62 J107.21 J108.62 J109.21 J110.62 J111.21 J112.62 J113.21 J114.62 J115.21 J116.62 J117.21 J118.62 J119.21 J120.62 J121.21 J122.62 J123.21 J124.62 J125.21 J126.62 J127.21 J128.62 J129.21 J130.62 J131.21 J132.62 J133.21 J134.62 J135.21 J136.62 J137.21 J138.62 J139.21 J140.62 J141.21 J142.62 J143.21 J144.62 J145.21 J146.62 J147.21 J148.62 J149.21 J150.62 J151.21 J152.62 J153.21 J154.62 J155.21 J156.62 J157.21 J158.62 J159.21 J160.62 J161.21 J162.62 J163.21 J164.62 J165.21 J166.62 J167.21 J168.62 J169.21 J170.62 J171.21 J172.62 J173.21 J174.62 J175.21 J176.62 J177.21 J178.62 J179.21 J180.62 J181.21 J182.62 J183.21 J184.62
/PIN 52: C106.1 C114.1 C122.1 C130.1 C138.1 C146.1 C154.1 C162.1 C170.1 C178.1 C186.1 C194.1 C202.1 C210.1 C218.1 C226.1 C234.1 C242.1 C250.1 C258.1 C266.1 C274.1 C282.1 C290.1 C298.1 C306.1 C314.1 C322.1 C330.1 C338.1 C346.1 C354.1 C362.1 C370.1 C378.1 C386.1 C394.1 C402.1 C410.1 C418.1 C426.1 C434.1 J101.19 J102.64 J103.19 J104.64 J105.19 J106.64 J107.19 J108.64 J109.19 J110.64 J111.19 J112.64 J113.19 J114.64 J115.19 J116.64 J117.19 J118.64 J119.19 J120.64 J121.19 J122.64 J123.19 J124.64 J125.19 J126.64 J127.19 J128.64 J129.19 J130.64 J131.19 J132.64 J133.19 J134.64 J135.19 J136.64 J137.19 J138.64 J139.19 J140.64 J141.19 J142.64 J143.19 J144.64 J145.19 J146.64 J147.19 J148.64 J149.19 J150.64 J151.19 J152.64 J153.19 J154.64 J155.19 J156.64 J157.19 J158.64 J159.19 J160.64 J161.19 J162.64 J163.19 J164.64 J165.19 J166.64 J167.19 J168.64 J169.19 J170.64 J171.19 J172.64 J173.19 J174.64 J175.19 J176.64 J177.19 J178.64 J179.19 J180.64 J181.19 J182.64 J183.19 J184.64
/PIN 53: J101.18 J102.65 J103.18 J104.65 J105.18 J106.65 J107.18 J108.65 J109.18 J110.65 J111.18 J112.65 J113.18 J114.65 J115.18 J116.65 J117.18 J118.65 J119.18 J120.65 J121.18 J122.65 J123.18 J124.65 J125.18 J126.65 J127.18 J128.65 J129.18 J130.65 J131.18 J132.65 J133.18 J134.65 J135.18 J136.65 J137.18 J138.65 J139.18 J140.65 J141.18 J142.65 J143.18 J144.65 J145.18 J146.65 J147.18 J148.65 J149.18 J150.65 J151.18 J152.65 J153.18 J154.65 J155.18 J156.65 J157.18 J158.65 J159.18 J160.65 J161.18 J162.65 J163.18 J164.65 J165.18 J166.65 J167.18 J168.65 J169.18 J170.65 J171.18 J172.65 J173.18 J174.65 J175.18 J176.65 J177.18 J178.65 J179.18 J180.65 J181.18 J182.65 J183.18 J184.65
/PIN 54: J101.17 J102.66 J103.17 J104.66 J105.17 J106.66 J107.17 J108.66 J109.17 J110.66 J111.17 J112.66 J113.17 J114.66 J115.17 J116.66 J117.17 J118.66 J119.17 J120.66 J121.17 J122.66 J123.17 J124.66 J125.17 J126.66 J127.17 J128.66 J129.17 J130.66 J131.17 J132.66 J133.17 J134.66 J135.17 J136.66 J137.17 J138.66 J139.17 J140.66 J141.17 J142.66 J143.17 J144.66 J145.17 J146.66 J147.17 J148.66 J149.17 J150.66 J151.17 J152.66 J153.17 J154.66 J155.17 J156.66 J157.17 J158.66 J159.17 J160.66 J161.17 J162.66 J163.17 J164.66 J165.17 J166.66 J167.17 J168.66 J169.17 J170.66 J171.17 J172.66 J173.17 J174.66 J175.17 J176.66 J177.17 J178.66 J179.17 J180.66 J181.17 J182.66 J183.17 J184.66
/PIN 55: J101.16 J102.67 J103.16 J104.67 J105.16 J106.67 J107.16 J108.67 J109.16 J110.67 J111.16 J112.67 J113.16 J114.67 J115.16 J116.67 J117.16 J118.67 J119.16 J120.67 J121.16 J122.67 J123.16 J124.67 J125.16 J126.67 J127.16 J128.67 J129.16 J130.67 J131.16 J132.67 J133.16 J134.67 J135.16 J136.67 J137.16 J138.67 J139.16 J140.67 J141.16 J142.67 J143.16 J144.67 J145.16 J146.67 J147.16 J148.67 J149.16 J150.67 J151.16 J152.67 J153.16 J154.67 J155.16 J156.67 J157.16 J158.67 J159.16 J160.67 J161.16 J162.67 J163.16 J164.67 J165.16 J166.67 J167.16 J168.67 J169.16 J170.67 J171.16 J172.67 J173.16 J174.67 J175.16 J176.67 J177.16 J178.67 J179.16 J180.67 J181.16 J182.67 J183.16 J184.67
/PIN 56: J101.15 J102.68 J103.15 J104.68 J105.15 J106.68 J107.15 J108.68 J109.15 J110.68 J111.15 J112.68 J113.15 J114.68 J115.15 J116.68 J117.15 J118.68 J119.15 J120.68 J121.15 J122.68 J123.15 J124.68 J125.15 J126.68 J127.15 J128.68 J129.15 J130.68 J131.15 J132.68 J133.15 J134.68 J135.15 J136.68 J137.15 J138.68 J139.15 J140.68 J141.15 J142.68 J143.15 J144.68 J145.15 J146.68 J147.15 J148.68 J149.15 J150.68 J151.15 J152.68 J153.15 J154.68 J155.15 J156.68 J157.15 J158.68 J159.15 J160.68 J161.15 J162.68 J163.15 J164.68 J165.15 J166.68 J167.15 J168.68 J169.15 J170.68 J171.15 J172.68 J173.15 J174.68 J175.15 J176.68 J177.15 J178.68 J179.15 J180.68 J181.15 J182.68 J183.15 J184.68
/PIN 57: J101.14 J102.69 J103.14 J104.69 J105.14 J106.69 J107.14 J108.69 J109.14 J110.69 J111.14 J112.69 J113.14 J114.69 J115.14 J116.69 J117.14 J118.69 J119.14 J120.69 J121.14 J122.69 J123.14 J124.69 J125.14 J126.69 J127.14 J128.69 J129.14 J130.69 J131.14 J132.69 J133.14 J134.69 J135.14 J136.69 J137.14 J138.69 J139.14 J140.69 J141.14 J142.69 J143.14 J144.69 J145.14 J146.69 J147.14 J148.69 J149.14 J150.69 J151.14 J152.69 J153.14 J154.69 J155.14 J156.69 J157.14 J158.69 J159.14 J160.69 J161.14 J162.69 J163.14 J164.69 J165.14 J166.69 J167.14 J168.69 J169.14 J170.69 J171.14 J172.69 J173.14 J174.69 J175.14 J176.69 J177.14 J178.69 J179.14 J180.69 J181.14 J182.69 J183.14 J184.69
/PIN 58: J101.13 J102.70 J103.13 J104.70 J105.13 J106.70 J107.13 J108.70 J109.13 J110.70 J111.13 J112.70 J113.13 J114.70 J115.13 J116.70 J117.13 J118.70 J119.13 J120.70 J121.13 J122.70 J123.13 J124.70 J125.13 J126.70 J127.13 J128.70 J129.13 J130.70 J131.13 J132.70 J133.13 J134.70 J135.13 J136.70 J137.13 J138.70 J139.13 J140.70 J141.13 J142.70 J143.13 J144.70 J145.13 J146.70 J147.13 J148.70 J149.13 J150.70 J151.13 J152.70 J153.13 J154.70 J155.13 J156.70 J157.13 J158.70 J159.13 J160.70 J161.13 J162.70 J163.13 J164.70 J165.13 J166.70 J167.13 J168.70 J169.13 J170.70 J171.13 J172.70 J173.13 J174.70 J175.13 J176.70 J177.13 J178.70 J179.13 J180.70 J181.13 J182.70 J183.13 J184.70
/PIN 60: C104.1 C112.1 C120.1 C128.1 C136.1 C144.1 C152.1 C160.1 C168.1 C176.1 C184.1 C192.1 C200.1 C208.1 C216.1 C224.1 C232.1 C240.1 C248.1 C256.1 C264.1 C272.1 C280.1 C288.1 C296.1 C304.1 C312.1 C320.1 C328.1 C336.1 C344.1 C352.1 C360.1 C368.1 C376.1 C384.1 C392.1 C400.1 C408.1 C416.1 C424.1 C432.1 J101.11 J102.72 J103.11 J104.72 J105.11 J106.72 J107.11 J108.72 J109.11 J110.72 J111.11 J112.72 J113.11 J114.72 J115.11 J116.72 J117.11 J118.72 J119.11 J120.72 J121.11 J122.72 J123.11 J124.72 J125.11 J126.72 J127.11 J128.72 J129.11 J130.72 J131.11 J132.72 J133.11 J134.72 J135.11 J136.72 J137.11 J138.72 J139.11 J140.72 J141.11 J142.72 J143.11 J144.72 J145.11 J146.72 J147.11 J148.72 J149.11 J150.72 J151.11 J152.72 J153.11 J154.72 J155.11 J156.72 J157.11 J158.72 J159.11 J160.72 J161.11 J162.72 J163.11 J164.72 J165.11 J166.72 J167.11 J168.72 J169.11 J170.72 J171.11 J172.72 J173.11 J174.72 J175.11 J176.72 J177.11 J178.72 J179.11 J180.72 J181.11 J182.72 J183.11 J184.72
/PIN 62: C102.1 C110.1 C118.1 C126.1 C134.1 C142.1 C150.1 C158.1 C166.1 C174.1 C182.1 C190.1 C198.1 C206.1 C214.1 C222.1 C230.1 C238.1 C246.1 C254.1 C262.1 C270.1 C278.1 C286.1 C294.1 C302.1 C310.1 C318.1 C326.1 C334.1 C342.1 C350.1 C358.1 C366.1 C374.1 C382.1 C390.1 C398.1 C406.1 C414.1 C422.1 C430.1 J101.9 J102.74 J103.9 J104.74 J105.9 J106.74 J107.9 J108.74 J109.9 J110.74 J111.9 J112.74 J113.9 J114.74 J115.9 J116.74 J117.9 J118.74 J119.9 J120.74 J121.9 J122.74 J123.9 J124.74 J125.9 J126.74 J127.9 J128.74 J129.9 J130.74 J131.9 J132.74 J133.9 J134.74 J135.9 J136.74 J137.9 J138.74 J139.9 J140.74 J141.9 J142.74 J143.9 J144.74 J145.9 J146.74 J147.9 J148.74 J149.9 J150.74 J151.9 J152.74 J153.9 J154.74 J155.9 J156.74 J157.9 J158.74 J159.9 J160.74 J161.9 J162.74 J163.9 J164.74 J165.9 J166.74 J167.9 J168.74 J169.9 J170.74 J171.9 J172.74 J173.9 J174.74 J175.9 J176.74 J177.9 J178.74 J179.9 J180.74 J181.9 J182.74 J183.9 J184.74
/PIN 63: J101.8 J102.1 J103.8 J104.1 J105.8 J106.1 J107.8 J108.1 J109.8 J110.1 J111.8 J112.1 J113.8 J114.1 J115.8 J116.1 J117.8 J118.1 J119.8 J120.1 J121.8 J122.1 J123.8 J124.1 J125.8 J126.1 J127.8 J128.1 J129.8 J130.1 J131.8 J132.1 J133.8 J134.1 J135.8 J136.1 J137.8 J138.1 J139.8 J140.1 J141.8 J142.1 J143.8 J144.1 J145.8 J146.1 J147.8 J148.1 J149.8 J150.1 J151.8 J152.1 J153.8 J154.1 J155.8 J156.1 J157.8 J158.1 J159.8 J160.1 J161.8 J162.1 J163.8 J164.1 J165.8 J166.1 J167.8 J168.1 J169.8 J170.1 J171.8 J172.1 J173.8 J174.1 J175.8 J176.1 J177.8 J178.1 J179.8 J180.1 J181.8 J182.1 J183.8 J184.1
/PIN 64: J101.7 J102.2 J103.7 J104.2 J105.7 J106.2 J107.7 J108.2 J109.7 J110.2 J111.7 J112.2 J113.7 J114.2 J115.7 J116.2 J117.7 J118.2 J119.7 J120.2 J121.7 J122.2 J123.7 J124.2 J125.7 J126.2 J127.7 J128.2 J129.7 J130.2 J131.7 J132.2 J133.7 J134.2 J135.7 J136.2 J137.7 J138.2 J139.7 J140.2 J141.7 J142.2 J143.7 J144.2 J145.7 J146.2 J147.7 J148.2 J149.7 J150.2 J151.7 J152.2 J153.7 J154.2 J155.7 J156.2 J157.7 J158.2 J159.7 J160.2 J161.7 J162.2 J163.7 J164.2 J165.7 J166.2 J167.7 J168.2 J169.7 J170.2 J171.7 J172.2 J173.7 J174.2 J175.7 J176.2 J177.7 J178.2 J179.7 J180.2 J181.7 J182.2 J183.7 J184.2
/PIN 65: J101.6 J102.3 J103.6 J104.3 J105.6 J106.3 J107.6 J108.3 J109.6 J110.3 J111.6 J112.3 J113.6 J114.3 J115.6 J116.3 J117.6 J118.3 J119.6 J120.3 J121.6 J122.3 J123.6 J124.3 J125.6 J126.3 J127.6 J128.3 J129.6 J130.3 J131.6 J132.3 J133.6 J134.3 J135.6 J136.3 J137.6 J138.3 J139.6 J140.3 J141.6 J142.3 J143.6 J144.3 J145.6 J146.3 J147.6 J148.3 J149.6 J150.3 J151.6 J152.3 J153.6 J154.3 J155.6 J156.3 J157.6 J158.3 J159.6 J160.3 J161.6 J162.3 J163.6 J164.3 J165.6 J166.3 J167.6 J168.3 J169.6 J170.3 J171.6 J172.3 J173.6 J174.3 J175.6 J176.3 J177.6 J178.3 J179.6 J180.3 J181.6 J182.3 J183.6 J184.3